# KiCad board mtk64_R_rev2.kicad_pcb (continued)
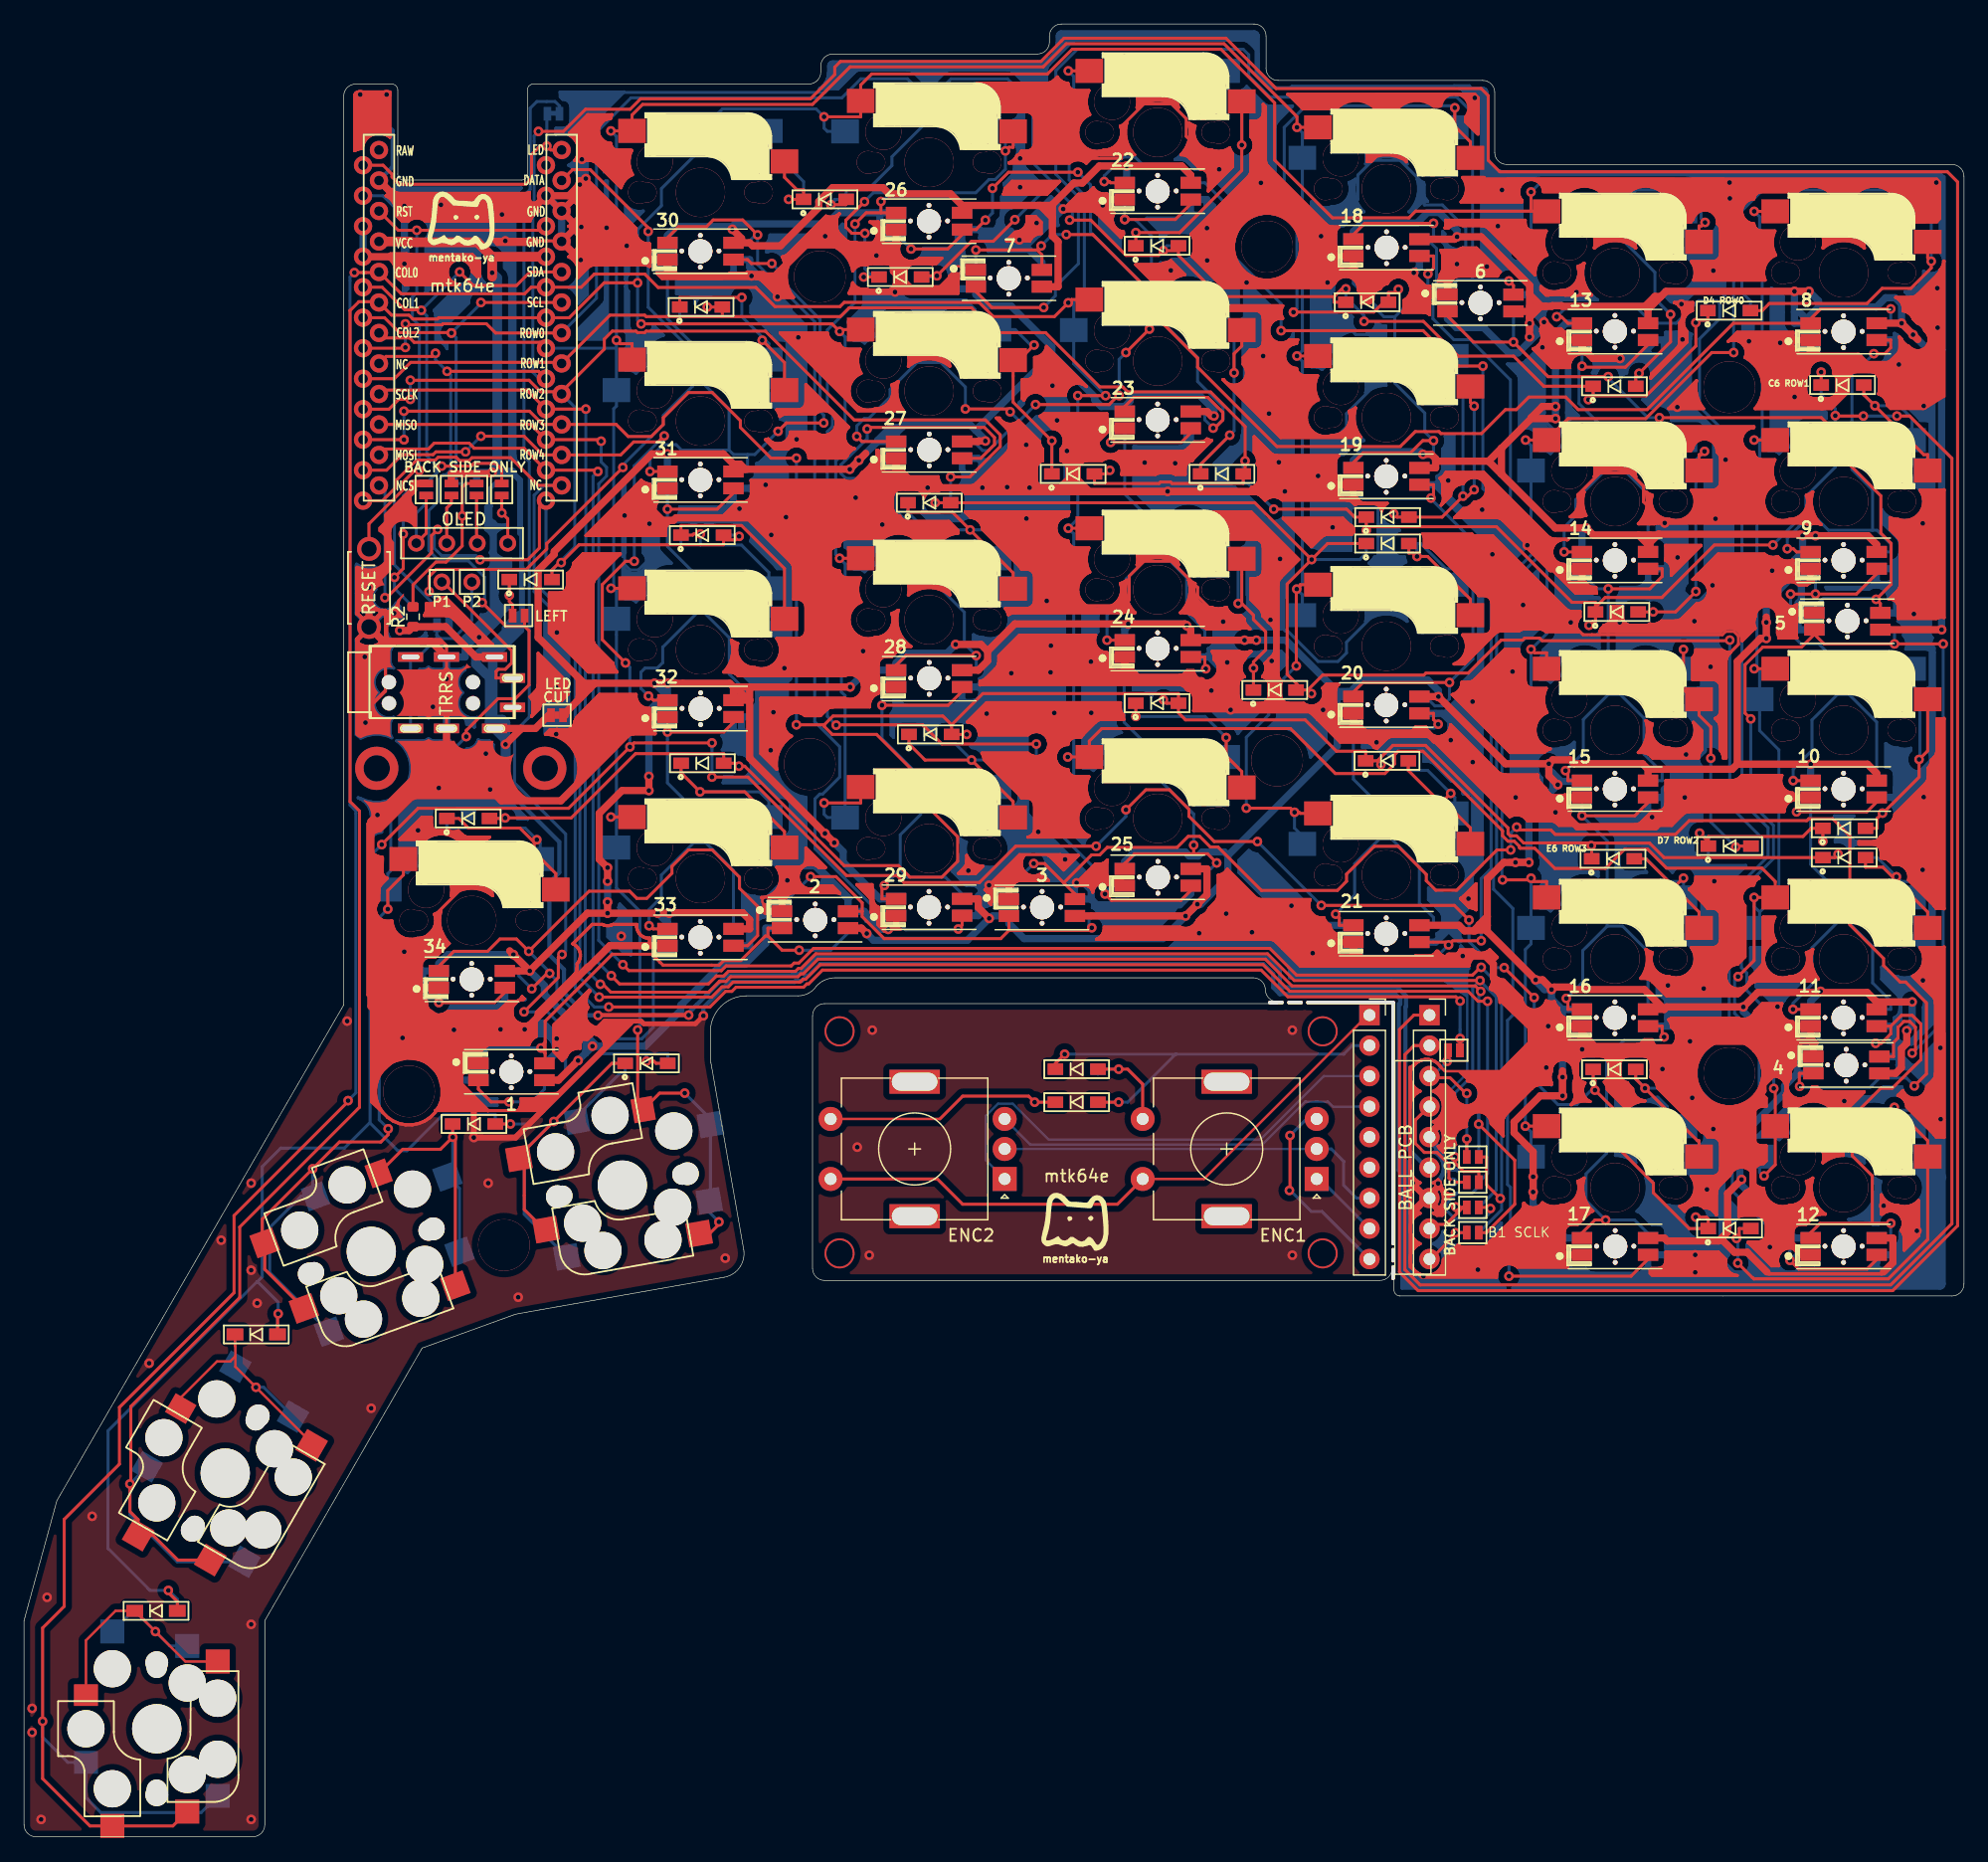
[diagram p0: board, top side]
## Routing (per net, layer and track width the routed paths; a pad name or vN(x,y) marks a point on that pad's centre or on a via; arc(x,y) is an arc through that point) (continued)
; 155.88,85.18 155.88,85.17 ; 155.88,85.18 158.4,87.71 ; 155.88,85.18 155.88,85.17 ; 143.16,116.65 143.12,116.45 ; 143.16,116.65 143.23,116.84 ; 143.16,116.65 143.12,116.45 ; 143.16,116.65 143.23,116.84 ; 143.12,116.45 143.12,116.24 ; 143.12,116.45 143.12,116.24 ; 103.25,105.46 103.25,107.46 ; 103.25,105.46 103.24,105.33 ; 103.25,105.46 103.24,105.33 ; 103.25,105.46 103.25,107.46 ; 103.25,107.46 103.24,107.58 ; 103.25,107.46 103.24,107.58 ; 90.23,115.15 90.43,115.12 ; 90.23,115.15 90.04,115.23 ; 90.23,115.15 90.43,115.12 ; 90.23,115.15 90.04,115.23 ; 90.43,115.12 90.64,115.12 ; 90.43,115.12 90.64,115.12 ; 40.63,68.82 40.63,68.61 ; 40.63,68.82 40.63,68.61 ; 40.63,68.82 40.67,69.02 ; 40.63,68.82 40.67,69.02 ; 40.63,68.61 40.67,68.41 ; 40.63,68.61 40.67,68.41 ; 113.15,129.17 113.05,129.05 ; 113.15,129.17 113.05,129.05 ; 89.66,81.03 89.77,81.04 ; 89.66,81.03 89.63,81.03 ; 89.66,81.03 89.77,81.04 ; 89.66,81.03 89.63,81.03 ; 76.19,112.13 76.02,112.16 ; 76.19,112.13 76.2,112.13 ; 76.19,112.13 76.02,112.16 ; 76.19,112.13 76.2,112.13 ; 76.02,112.16 75.82,112.16 ; 76.02,112.16 75.82,112.16 ; 74.31,112.24 73,112.24 ; 74.31,112.24 74.43,112.23 ; 74.31,112.24 74.43,112.23 ; 74.31,112.24 73,112.24 ; 73,112.24 72.88,112.23 ; 73,112.24 72.88,112.23 ; 86.67,116.18 86.67,116.38 ; 86.67,116.18 86.67,116.38 ; 86.67,116.38 86.63,116.58 ; 86.67,116.38 86.63,116.58 ; 67.12,116.85 67.29,116.96 ; 67.12,116.85 67.29,116.96 ; 67.12,116.85 66.93,116.77 ; 67.12,116.85 66.93,116.77 ; 67.29,116.96 67.43,117.11 ; 67.29,116.96 67.43,117.11 ; 139.19,104.76 139.04,104.73 ; 139.19,104.76 139.4,104.76 ; 139.19,104.76 139.04,104.73 ; 139.19,104.76 139.4,104.76 ; 139.04,104.73 139.43,105.13 ; 139.04,104.73 139.43,105.13 ; 27.81,102.18 30.11,102.18 ; 30.11,102.18 30.11,95.5 27.9,93.28 27.9,97.75 ; 130.76,65.98 130.79,65.98 ; 130.76,65.98 130.79,65.98 ; 130.79,65.98 134.33,65.98 ; 130.79,65.98 134.33,65.98 ; 51.22,94.36 51.37,94.22 ; 51.22,94.36 51.37,94.22 ; 95.53,113.61 95.49,113.61 ; 95.53,113.61 95.57,113.61 ; 95.53,113.61 95.49,113.61 ; 95.53,113.61 95.57,113.61 ; 95.49,113.61 94.72,113.61 ; 95.49,113.61 94.72,113.61 ; 88.37,140.74 88.63,140.57 ; 88.37,140.74 88.63,140.57 ; 88.63,140.57 88.92,140.45 ; 88.63,140.57 88.92,140.45 ; 150.08,61.05 149.69,61.21 ; 150.08,61.05 149.69,61.21 ; 150.08,61.05 150.43,60.81 ; 150.08,61.05 150.43,60.81 ; 149.69,61.21 149.28,61.29 ; 149.69,61.21 149.28,61.29 ; 67.55,118.26 67.43,118.43 ; 67.55,118.26 67.63,118.07 ; 67.55,118.26 67.63,118.07 ; 67.55,118.26 67.43,118.43 ; 147.3,136.99 147.18,137.02 ; 147.3,136.99 147.41,136.93 ; 147.3,136.99 147.18,137.02 ; 147.3,136.99 147.41,136.93 ; 118.2,130.65 118.2,130.61 ; 118.2,130.65 118.2,130.61 ; 47.96,95.15 51,95.15 ; 47.96,95.15 51,95.15 ; 51,95.15 50.99,95.13 ; 51,95.15 50.99,95.13 ; 63.86,116.97 63.86,117.01 ; 63.86,116.97 63.86,117.01 ; 111.71,92.03 111.68,92.03 ; 111.71,92.03 111.68,92.03 ; 126.05,137.93 125.86,138 ; 126.05,137.93 126.22,137.81 ; 126.05,137.93 126.22,137.81 ; 126.05,137.93 125.86,138 ; 125.86,138 125.66,138.04 ; 125.86,138 125.66,138.04 ; 47.17,139.63 47.13,139.63 ; 47.17,139.63 47.13,139.63 ; 47.17,139.63 47.21,139.63 47.17,139.63 ; 47.13,139.63 45.89,139.63 ; 47.13,139.63 45.89,139.63 ; 80.45,77.79 80.45,78.08 ; 80.45,77.79 80.45,78.08 ; 80.45,78.08 80.45,78.13 ; 80.45,78.08 80.45,78.13 ; 158.37,125.47 158.31,125.61 ; 158.37,125.47 158.31,125.61 ; 158.37,125.47 158.48,125.35 ; 158.37,125.47 158.48,125.35 ; 158.31,125.61 158.19,125.78 ; 158.31,125.61 158.19,125.78 ; 88.89,112.02 89.04,111.98 ; 88.89,112.02 89.04,111.98 ; 157.44,52.67 157.7,52.84 ; 157.44,52.67 157.7,52.84 ; 157.44,52.67 157.15,52.55 ; 157.44,52.67 157.15,52.55 ; 157.7,52.84 157.85,52.99 ; 157.7,52.84 157.85,52.99 ; 144.87,62.83 144.79,62.64 ; 144.87,62.83 144.98,63 ; 144.87,62.83 144.79,62.64 ; 144.87,62.83 144.98,63 ; 72.53,95.92 72.79,95.92 ; 72.53,95.92 72.79,95.92 ; 72.79,95.92 72.79,95.9 ; 72.79,95.92 72.79,95.9 ; 155.76,103.04 155.64,103.08 ; 155.76,103.04 155.64,103.08 ; 67.12,132.63 66.58,132.74 ; 67.12,132.63 66.58,132.74 ; 66.58,132.74 66.03,132.74 ; 66.58,132.74 66.03,132.74 ; 91.45,133.36 91.4,133.24 ; 91.45,133.36 91.4,133.24 ; 63.86,117.01 65.93,117.01 ; 63.86,117.01 65.93,117.01 ; 65.93,117.01 65.97,116.96 ; 65.93,117.01 65.97,116.96 ; 148.45,121.4 148.45,120.45 ; 148.45,121.4 148.45,120.45 ; 148.45,120.45 148.46,120.33 ; 148.45,120.45 148.46,120.33 ; 136.51,47.44 136.4,47.39 ; 136.51,47.44 136.4,47.39 ; 86.91,114.13 86.87,114.24 ; 86.91,114.13 86.92,114 ; 86.91,114.13 86.92,114 ; 86.91,114.13 86.87,114.24 ; 86.87,114.24 86.82,114.36 ; 86.87,114.24 86.82,114.36 ; 95.42,131.21 95.55,131.3 ; 95.42,131.21 95.55,131.3 ; 95.55,131.3 95.65,131.19 ; 95.55,131.3 95.65,131.19 ; 145.01,130.74 144.94,130.43 ; 145.01,130.74 144.94,130.43 ; 125.21,52.54 125.38,52.45 ; 125.21,52.54 125.07,52.66 ; 125.21,52.54 125.38,52.45 ; 125.21,52.54 125.07,52.66 ; 125.38,52.45 125.55,52.4 ; 125.38,52.45 125.55,52.4 ; 65.63,81.01 65.43,81.01 ; 65.63,81.01 65.43,81.01 ; 31.31,129.71 31.43,129.62 ; 31.31,129.71 31.43,129.62 ; 121.9,100.17 122.01,100.23 ; 121.9,100.17 122.01,100.23 ; 121.9,100.17 121.78,100.13 ; 121.9,100.17 121.78,100.13 ; 122.01,100.23 122.11,100.3 ; 122.01,100.23 122.11,100.3 ; 88.08,112.6 88.18,112.52 ; 88.08,112.6 88.18,112.52 ; 129.45,51.01 128.96,51.01 ; 129.45,51.01 128.96,51.01 ; 95.39,110.37 95.34,110.32 ; 95.39,110.37 93.53,110.37 ; 95.39,110.37 95.34,110.32 ; 95.39,110.37 93.53,110.37 ; 95.34,110.32 95.11,109.97 ; 95.34,110.32 95.11,109.97 ; 118.86,111.77 118.9,111.97 ; 118.86,111.77 118.9,111.97 ; 96.29,96.73 96.4,96.74 ; 96.29,96.73 96.4,96.74 ; 117.89,73.63 118.03,73.49 ; 117.89,73.63 117.8,73.77 ; 117.89,73.63 117.8,73.77 ; 117.89,73.63 118.03,73.49 ; 118.03,73.49 118.2,73.38 ; 118.03,73.49 118.2,73.38 ; 147.37,106.13 147.38,105.91 ; 147.37,106.13 147.38,106.25 ; 147.37,106.13 147.38,105.91 ; 147.37,106.13 147.38,106.25 ; 147.38,105.91 147.53,105.75 ; 147.38,105.91 147.53,105.75 ; 109.91,111.49 110.47,111.49 ; 109.91,111.49 110.47,111.49 ; 156.49,50.4 156.39,50.52 ; 156.49,50.4 156.58,50.23 ; 156.49,50.4 156.39,50.52 ; 156.49,50.4 156.58,50.23 ; 91.24,115.39 96.38,115.39 ; 91.24,115.39 91.19,115.35 ; 91.24,115.39 91.19,115.35 ; 91.24,115.39 96.38,115.39 ; 96.38,115.39 96.42,115.39 ; 96.38,115.39 96.42,115.39 ; 77.83,129.9 77.86,129.82 ; 77.83,129.9 77.86,129.82 ; 77.86,129.82 77.83,129.75 ; 77.86,129.82 77.83,129.75 ; 83.8,140.47 83.91,140.53 ; 83.8,140.47 83.91,140.53 ; 83.8,140.47 83.68,140.43 ; 83.8,140.47 83.68,140.43 ; 83.91,140.53 84.01,140.6 ; 83.91,140.53 84.01,140.6 ; 96.76,114.13 96.8,114.24 ; 96.76,114.13 96.8,114.24 ; 97.04,104.66 97.04,104.67 ; 97.04,104.66 97.15,104.14 ; 97.04,104.66 97.15,104.14 ; 97.04,104.66 97.04,104.67 ; 97.04,104.67 97.26,104.52 ; 97.04,104.67 97.26,104.52 ; 140.83,131.23 140.95,131.27 ; 140.83,131.23 140.95,131.27 ; 115.54,48.53 115.49,48.27 ; 115.54,48.53 115.49,48.27 ; 115.49,48.27 115.49,47.99 ; 115.49,48.27 115.49,47.99 ; 104.44,124.46 104.64,124.42 ; 104.44,124.46 104.64,124.42 ; 104.64,124.42 104.84,124.42 ; 104.64,124.42 104.84,124.42 ; 102.73,104.83 102.61,104.82 ; 102.73,104.83 102.61,104.82 ; 118.9,111.97 118.97,112.16 ; 118.9,111.97 118.97,112.16 ; 35.81,129.43 36,129.35 ; 35.81,129.43 35.64,129.54 ; 35.81,129.43 35.64,129.54 ; 35.81,129.43 36,129.35 ; 36,129.35 36.2,129.31 ; 36,129.35 36.2,129.31 ; 77.09,103.71 77.14,103.45 ; 77.09,103.71 77.09,104.13 ; 77.09,103.71 77.14,103.45 ; 77.09,103.71 77.09,104.13 ; 77.14,103.45 77.12,103.46 ; 77.14,103.45 77.12,103.46 ; 94.65,113.61 94.54,113.6 ; 94.65,113.61 94.69,113.61 ; 94.65,113.61 94.54,113.6 ; 94.65,113.61 94.69,113.61 ; 122.67,73.2 122.52,73.06 ; 122.67,73.2 122.75,73.26 ; 122.67,73.2 122.52,73.06 ; 122.67,73.2 122.75,73.26 ; 122.52,73.06 122.41,72.89 ; 122.52,73.06 122.41,72.89 ; 90.66,102.56 90.39,102.45 ; 90.66,102.56 90.39,102.45 ; 33.46,101.93 33.51,102.09 ; 33.46,101.93 33.51,102.09 ; 33.46,101.93 33.38,101.78 ; 33.46,101.93 33.38,101.78 ; 33.51,102.09 33.52,102.25 ; 33.51,102.09 33.52,102.25 ; 118.39,134.01 118.43,134.1 ; 118.39,134.01 118.67,134.01 ; 118.39,134.01 118.67,134.01 ; 118.39,134.01 118.43,134.1 ; 118.43,134.1 118.47,134.3 ; 118.43,134.1 118.47,134.3 ; 139.22,92.33 139.22,92.02 ; 139.22,92.33 139.22,92.02 ; 94.56,111.96 94.6,111.97 ; 94.56,111.96 94.6,111.97 ; 76.72,129.22 76.55,129.11 ; 76.72,129.22 76.55,129.11 ; 103.44,96.53 103.33,96.59 ; 103.44,96.53 103.33,96.59 ; 103.33,96.59 103.21,96.63 ; 103.33,96.59 103.21,96.63 ; 37.99,64.3 38.01,64.3 ; 37.99,64.3 38.01,64.3 ; 34.46,68.45 34.66,68.45 ; 34.46,68.45 34.66,68.45 ; 34.66,68.45 34.86,68.49 ; 34.66,68.45 34.86,68.49 ; 70.54,114.33 70.82,114.61 ; 70.54,114.33 71.17,114.33 ; 70.54,114.33 71.17,114.33 ; 70.54,114.33 71.17,114.33 ; 70.54,114.33 70.82,114.61 ; 70.54,114.33 71.17,114.33 ; 128.28,128.46 128.14,128.47 ; 128.28,128.46 128.14,128.47 ; 116.09,54.17 116.87,53.39 ; 116.09,54.17 116.87,53.39 ; 136.79,47.85 136.8,47.98 ; 136.79,47.85 136.8,47.98 ; 136.8,47.98 136.8,48.7 ; 136.8,47.98 136.8,48.7 ; 158.57,125.24 158.48,125.35 ; 158.57,125.24 158.66,125.08 ; 158.57,125.24 158.66,125.08 ; 158.57,125.24 158.48,125.35 ; 147.88,66.02 147.79,65.94 ; 147.88,66.02 147.99,66.08 ; 147.88,66.02 147.99,66.08 ; 147.88,66.02 147.79,65.94 ; 147.79,65.94 147.71,65.84 ; 147.79,65.94 147.71,65.84 ; 136.4,101.23 136.44,101.27 ; 136.4,101.23 136.44,101.27 ; 136.44,101.27 137.56,101.27 ; 136.44,101.27 137.56,101.27 ; 69.32,94.86 69.49,94.97 ; 69.32,94.86 69.49,94.97 ; 69.49,94.97 69.63,95.12 ; 69.49,94.97 69.63,95.12 ; 143.65,49.49 143.68,49.54 ; 143.65,49.49 143.68,49.47 ; 143.65,49.49 143.68,49.47 ; 143.65,49.49 143.68,49.54 ; 143.68,49.54 143.68,49.55 ; 143.68,49.54 143.68,49.55 ; 122.77,88.72 122.74,88.76 ; 122.77,88.72 122.74,88.76 ; 84.19,102.83 84.2,102.96 ; 84.19,102.83 84.2,102.96 ; 84.19,102.83 84.15,102.71 ; 84.19,102.83 84.15,102.71 ; 84.2,102.96 84.2,104.96 ; 84.2,102.96 84.2,104.96 ; 148.5,111.75 148.81,111.87 ; 148.5,111.75 148.54,111.66 ; 148.5,111.75 148.54,111.66 ; 148.5,111.75 148.81,111.87 ; 148.81,111.87 149.03,112.02 ; 148.81,111.87 149.03,112.02 ; 119.07,95.16 119,95.14 ; 119.07,95.16 119,95.14 ; 52.13,111.7 52.17,111.58 ; 52.13,111.7 52.17,111.58 ; 148.54,54.51 148.5,54.6 ; 148.54,54.51 148.59,54.22 ; 148.54,54.51 148.59,54.22 ; 148.54,54.51 148.5,54.6 ; 148.5,54.6 148.81,54.72 ; 148.5,54.6 148.81,54.72 ; 89.54,140.39 89.84,140.45 ; 89.54,140.39 89.22,140.39 ; 89.54,140.39 89.84,140.45 ; 89.54,140.39 89.22,140.39 ; 97.26,142.62 97.57,142.5 ; 97.26,142.62 97.57,142.5 ; 107.17,93.67 107.04,93.74 ; 107.17,93.67 107.04,93.74 ; 148.73,86.7 147.53,86.7 ; 148.73,86.7 147.53,86.7 ; 115.5,128.6 115.54,128.8 ; 115.5,128.6 115.54,128.8 ; 115.54,128.8 115.54,129.01 ; 115.54,128.8 115.54,129.01 ; 139.62,62.28 139.92,61.82 ; 139.62,62.28 139.92,61.82 ; 139.92,61.82 140.31,61.44 ; 139.92,61.82 140.31,61.44 ; 119.65,49.16 119.77,49.13 ; 119.65,49.16 119.77,49.13 ; 119.77,49.13 119.89,49.12 ; 119.77,49.13 119.89,49.12 ; 110.63,92.6 110.47,92.44 ; 110.63,92.6 110.47,92.44 ; 71.1,108.09 70.98,108.12 ; 71.1,108.09 70.98,108.12 ; 71.1,108.09 71.21,108.03 ; 71.1,108.09 71.21,108.03 ; 129.94,124.55 129.94,123.7 ; 129.94,124.55 129.96,124.55 ; 129.94,124.55 129.96,124.55 ; 129.94,124.55 129.94,123.7 ; 129.94,123.7 130.1,123.54 ; 129.94,123.7 130.1,123.54 ; 84.23,80.03 84.43,80.07 ; 84.23,80.03 84.43,80.07 ; 89.7,136.88 89.9,136.84 ; 89.7,136.88 89.9,136.84 ; 107.04,93.74 106.89,93.78 ; 107.04,93.74 106.89,93.78 ; 147.53,60.63 147.51,60.65 ; 147.53,60.63 147.51,60.65 ; 159.94,131.13 159.94,131.25 ; 159.94,131.13 159.94,131.25 ; 159.94,131.13 159.9,130.93 ; 159.94,131.13 159.9,130.93 ; 159.94,131.25 159.97,131.26 ; 159.94,131.25 159.97,131.26 ; 61.76,77.92 61.73,77.95 ; 61.76,77.92 61.73,77.95 ; 61.76,77.92 61.76,77.92 ; 61.76,77.92 61.76,77.92 ; 61.73,77.95 61.69,78.01 ; 61.73,77.95 61.69,78.01 ; 156.11,102.69 156.05,102.81 ; 156.11,102.69 156.05,102.81 ; 109.27,112.13 109.28,112 ; 109.27,112.13 109.28,112 ; 78.31,112.05 78.21,112.13 ; 78.31,112.05 78.39,111.96 ; 78.31,112.05 78.21,112.13 ; 78.31,112.05 78.39,111.96 ; 78.21,112.13 78.1,112.19 ; 78.21,112.13 78.1,112.19 ; 111.07,73.39 111.13,73.29 ; 111.07,73.39 111.13,73.29 ; 111.07,73.39 111.05,73.39 ; 111.07,73.39 111.05,73.39 ; 111.13,73.29 111.22,73.18 ; 111.13,73.29 111.22,73.18 ; 101.54,96.59 101.43,96.53 ; 101.54,96.59 101.43,96.53 ; 101.54,96.59 101.66,96.63 ; 101.54,96.59 101.66,96.63 ; 101.43,96.53 101.33,96.45 ; 101.43,96.53 101.33,96.45 ; 43.47,94.62 43.59,94.64 ; 43.47,94.62 43.59,94.64 ; 29.62,79.14 29.6,79.11 ; 29.62,79.14 29.68,79.24 ; 29.62,79.14 29.6,79.11 ; 29.62,79.14 29.68,79.24 ; 29.6,79.11 29.56,78.97 ; 29.6,79.11 29.56,78.97 ; 100.7,140.21 100.7,139.12 ; 100.7,140.21 100.7,139.12 ; 146.22,48.5 146.14,48.32 ; 146.22,48.5 146.33,48.67 ; 146.22,48.5 146.14,48.32 ; 146.22,48.5 146.33,48.67 ; 146.14,48.32 146.1,48.12 ; 146.14,48.32 146.1,48.12 ; 143.04,100.17 142.92,100.34 ; 143.04,100.17 143.12,99.98 ; 143.04,100.17 142.92,100.34 ; 143.04,100.17 143.12,99.98 ; 142.92,100.34 142.78,100.49 ; 142.92,100.34 142.78,100.49 ; 128.32,125.18 128.33,124.96 ; 128.32,125.18 128.33,124.96 ; 127.75,105.13 129.29,103.59 ; 127.75,105.13 129.29,103.59 ; 127.75,105.13 123.24,109.64 ; 127.75,105.13 123.24,109.64 ; 72.72,120.69 72.83,121.21 ; 72.72,120.69 72.83,121.21 ; 104.08,98.45 104.16,98.58 ; 104.08,98.45 104.16,98.58 ; 63.32,116.16 63.49,116.27 ; 63.32,116.16 63.49,116.27 ; 63.32,116.16 63.13,116.08 ; 63.32,116.16 63.13,116.08 ; 63.49,116.27 63.63,116.41 ; 63.49,116.27 63.63,116.41 ; 90.1,136.84 89.9,136.84 ; 90.1,136.84 89.9,136.84 ; 121.48,111.4 121.63,111.55 ; 121.48,111.4 121.63,111.55 ; 77.12,122.51 76.68,122.81 ; 77.12,122.51 77.14,122.5 ; 77.12,122.51 77.14,122.5 ; 77.12,122.51 76.68,122.81 ; 90.23,81.25 90.22,81.13 ; 90.23,81.25 90.22,81.13 ; 90.23,81.25 90.27,81.35 ; 90.23,81.25 90.27,81.35 ; 99.96,127.04 99.86,126.96 ; 99.96,127.04 99.86,126.96 ; 99.86,126.96 99.83,126.92 ; 99.86,126.96 99.83,126.92 ; 143.34,77.59 143.39,77.54 ; 143.34,77.59 143.23,77.76 ; 143.34,77.59 143.39,77.54 ; 143.34,77.59 143.23,77.76 ; 143.39,77.54 143.39,73.31 ; 143.39,77.54 143.39,73.31 ; 155.16,84.04 155.16,84.01 ; 155.16,84.04 155.16,84.01 ; 89.87,116.95 89.73,116.81 ; 89.87,116.95 89.73,116.81 ; 97.99,101.07 97.87,101.22 ; 97.99,101.07 98.08,100.91 ; 97.99,101.07 98.08,100.91 ; 97.99,101.07 97.87,101.22 ; 97.87,101.22 97.85,101.23 ; 97.87,101.22 97.85,101.23 ; 96.2,106.97 96.14,106.63 ; 96.2,106.97 95.99,107.06 ; 96.2,106.97 95.99,107.06 ; 96.2,106.97 96.14,106.63 ; 96.14,106.63 96.14,106.21 ; 96.14,106.63 96.14,106.21 ; 83.21,80.58 83.32,80.41 ; 83.21,80.58 83.32,80.41 ; 83.32,80.41 83.47,80.26 ; 83.32,80.41 83.47,80.26 ; 35.26,68.73 39.16,68.73 ; 35.26,68.73 39.16,68.73 ; 64.98,132.42 64.53,132.11 ; 64.98,132.42 65.49,132.63 ; 64.98,132.42 65.49,132.63 ; 64.98,132.42 64.53,132.11 ; 64.53,132.11 64.14,131.73 ; 64.53,132.11 64.14,131.73 ; 148.57,66.39 148.73,66.55 ; 148.57,66.39 148.73,66.55 ; 148.73,66.55 148.73,67.4 ; 148.73,66.55 148.73,67.4 ; 48.6,141.1 48.8,141.06 ; 48.6,141.1 48.8,141.06 ; 48.8,141.06 48.88,141.06 ; 48.8,141.06 48.88,141.06 ; 141.34,55.53 141.35,55.66 ; 141.34,55.53 141.35,55.66 ; 127.29,106.92 127.29,107.13 ; 127.29,106.92 127.29,107.13 ; 126.56,100.55 126.42,100.59 ; 126.56,100.55 126.42,100.59 ; 126.42,100.59 126.31,100.61 ; 126.42,100.59 126.31,100.61 ; 60.08,130.25 59.96,130.24 ; 60.08,130.25 59.96,130.24 ; 125.08,134.27 125.12,134.15 ; 125.08,134.27 125.12,134.15 ; 125.08,134.27 125.07,134.4 ; 125.08,134.27 125.07,134.4 ; 125.12,134.15 125.18,134.04 ; 125.12,134.15 125.18,134.04 ; 68.77,131.27 68.47,131.73 ; 68.77,131.27 68.98,130.76 ; 68.77,131.27 68.98,130.76 ; 68.77,131.27 68.47,131.73 ; 148.59,73.27 148.54,73.56 ; 148.59,73.27 148.54,73.56 ; 148.54,73.56 148.5,73.65 ; 148.54,73.56 148.5,73.65 ; 145.3,112.24 145.13,111.98 ; 145.3,112.24 145.13,111.98 ; 145.3,112.24 145.52,112.46 ; 145.3,112.24 145.52,112.46 ; 145.13,111.98 145.01,111.69 ; 145.13,111.98 145.01,111.69 ; 94.98,112.09 95.23,112.09 ; 94.98,112.09 94.86,112.02 ; 94.98,112.09 94.86,112.02 ; 94.98,112.09 95.23,112.09 ; 95.23,112.09 95.36,112.02 ; 95.23,112.09 95.36,112.02 ; 149.71,109.31 149.56,109.37 ; 149.71,109.31 149.56,109.37 ; 149.56,109.37 149.36,109.41 ; 149.56,109.37 149.36,109.41 ; 128.99,61.06 129.1,61.23 ; 128.99,61.06 128.91,60.98 ; 128.99,61.06 128.91,60.98 ; 128.99,61.06 129.1,61.23 ; 30.3,64.25 29.91,63.87 ; 30.3,64.25 30.76,64.56 ; 30.3,64.25 30.76,64.56 ; 30.3,64.25 29.91,63.87 ; 29.91,63.87 29.61,63.41 ; 29.91,63.87 29.61,63.41 ; 63.7,91.82 63.87,91.71 ; 63.7,91.82 63.87,91.71 ; 34.34,83.76 34.46,83.72 ; 34.34,83.76 34.23,83.82 ; 34.34,83.76 34.46,83.72 ; 34.34,83.76 34.23,83.82 ; 34.46,83.72 34.59,83.71 ; 34.46,83.72 34.59,83.71 ; 68.81,119.96 68.93,119.67 ; 68.81,119.96 68.75,120.27 ; 68.81,119.96 68.75,120.27 ; 68.81,119.96 68.93,119.67 ; 68.93,119.67 69.1,119.42 ; 68.93,119.67 69.1,119.42 ; 104.84,124.42 105.04,124.46 ; 104.84,124.42 105.04,124.46 ; 52.01,130.88 51.87,130.92 ; 52.01,130.88 51.87,130.92 ; 51.87,130.92 51.76,130.93 ; 51.87,130.92 51.76,130.93 ; 46.55,66.51 46.7,66.66 ; 46.55,66.51 46.7,66.66 ; 46.55,66.51 46.44,66.34 ; 46.55,66.51 46.44,66.34 ; 46.7,66.66 46.87,66.77 ; 46.7,66.66 46.87,66.77 ; 124.47,85.14 124.27,85.14 ; 124.47,85.14 124.67,85.1 ; 124.47,85.14 124.67,85.1 ; 124.47,85.14 124.27,85.14 ; 129.68,66.55 129.68,67.4 ; 129.68,66.55 129.52,66.39 ; 129.68,66.55 129.52,66.39 ; 129.68,66.55 129.68,67.4 ; 129.68,67.4 128.48,67.4 ; 129.68,67.4 128.48,67.4 ; 149.23,66.29 149.32,66.18 ; 149.23,66.29 149.17,66.39 ; 149.23,66.29 149.32,66.18 ; 149.23,66.29 149.17,66.39 ; 149.32,66.18 149.38,66.13 ; 149.32,66.18 149.38,66.13 ; 33.34,101.74 33.38,101.78 ; 33.34,101.74 33.38,101.78 ; 148.73,67.4 147.53,67.4 ; 148.73,67.4 147.53,67.4 ; 138.79,52.54 138.63,52.42 ; 138.79,52.54 138.98,52.61 ; 138.79,52.54 138.98,52.61 ; 138.79,52.54 138.63,52.42 ; 138.63,52.42 138.48,52.28 ; 138.63,52.42 138.48,52.28 ; 58.32,110.08 59.43,111.19 ; 58.32,110.08 58.3,110.05 ; 58.32,110.08 59.43,111.19 ; 58.32,110.08 58.3,110.05 ; 59.43,111.19 59.96,111.19 ; 59.43,111.19 59.96,111.19 ; 126.47,90.94 126.73,90.77 ; 126.47,90.94 126.25,91.17 ; 126.47,90.94 126.73,90.77 ; 126.47,90.94 126.25,91.17 ; 126.73,90.77 127.02,90.65 ; 126.73,90.77 127.02,90.65 ; 107.17,78.07 107.09,77.88 ; 107.17,78.07 107.09,77.88 ; 128.47,102.26 128.55,102.19 ; 128.47,102.26 128.55,102.19 ; 128.55,102.19 128.66,102.13 ; 128.55,102.19 128.66,102.13 ; 125.07,52.66 124.96,52.79 ; 125.07,52.66 124.96,52.79 ; 68.75,120.27 68.75,120.58 ; 68.75,120.27 68.75,120.58 ; 143.39,73.31 142.77,72.69 ; 143.39,73.31 142.77,72.69 ; 142.77,72.69 142.71,72.69 ; 142.77,72.69 142.71,72.69 ; 133.05,115.68 133.21,115.29 ; 133.05,115.68 132.97,116.1 ; 133.05,115.68 132.97,116.1 ; 133.05,115.68 133.21,115.29 ; 135.54,121.5 135.53,121.53 ; 135.54,121.5 138.53,124.49 ; 135.54,121.5 135.53,121.53 ; 135.54,121.5 138.53,124.49 ; 135.53,121.53 135.56,121.6 ; 135.53,121.53 135.56,121.6 ; 146.41,87.67 146.49,87.49 ; 146.41,87.67 146.37,87.87 ; 146.41,87.67 146.49,87.49 ; 146.41,87.67 146.37,87.87 ; 146.49,87.49 146.6,87.32 ; 146.49,87.49 146.6,87.32 ; 121.9,73.72 122.07,73.83 ; 121.9,73.72 122.07,73.83 ; 121.9,73.72 121.71,73.64 ; 121.9,73.72 121.71,73.64 ; 122.07,73.83 122.12,73.88 ; 122.07,73.83 122.12,73.88 ; 118.26,60.97 118.2,61.23 ; 118.26,60.97 118.2,61.23 ; 118.26,60.97 118.26,60.69 ; 118.26,60.97 118.26,60.69 ; 37.1,131.01 37.21,130.84 ; 37.1,131.01 37.21,130.84 ; 119.56,132.21 119.69,132.28 ; 119.56,132.21 119.69,132.28 ; 119.56,132.21 119.38,132.15 ; 119.56,132.21 119.38,132.15 ; 119.69,132.28 119.7,132.28 ; 119.69,132.28 119.7,132.28 ; 123.21,59.54 123.21,59.5 ; 123.21,59.54 123.23,59.73 ; 123.21,59.54 123.23,59.73 ; 123.21,59.54 123.21,59.5 ; 123.21,59.5 123.21,58.69 ; 123.21,59.5 123.21,58.69 ; 101.74,121.46 101.82,121.65 ; 101.74,121.46 101.82,121.65 ; 138.17,134.45 138.29,134.48 ; 138.17,134.45 138.29,134.48 ; 72.79,114.97 72.79,114.95 ; 72.79,114.97 72.79,114.95 ; 72.79,114.95 72.81,114.95 ; 72.79,114.95